# KiCad board PSEC5_Ctrl_Board.kicad_pcb (continued)
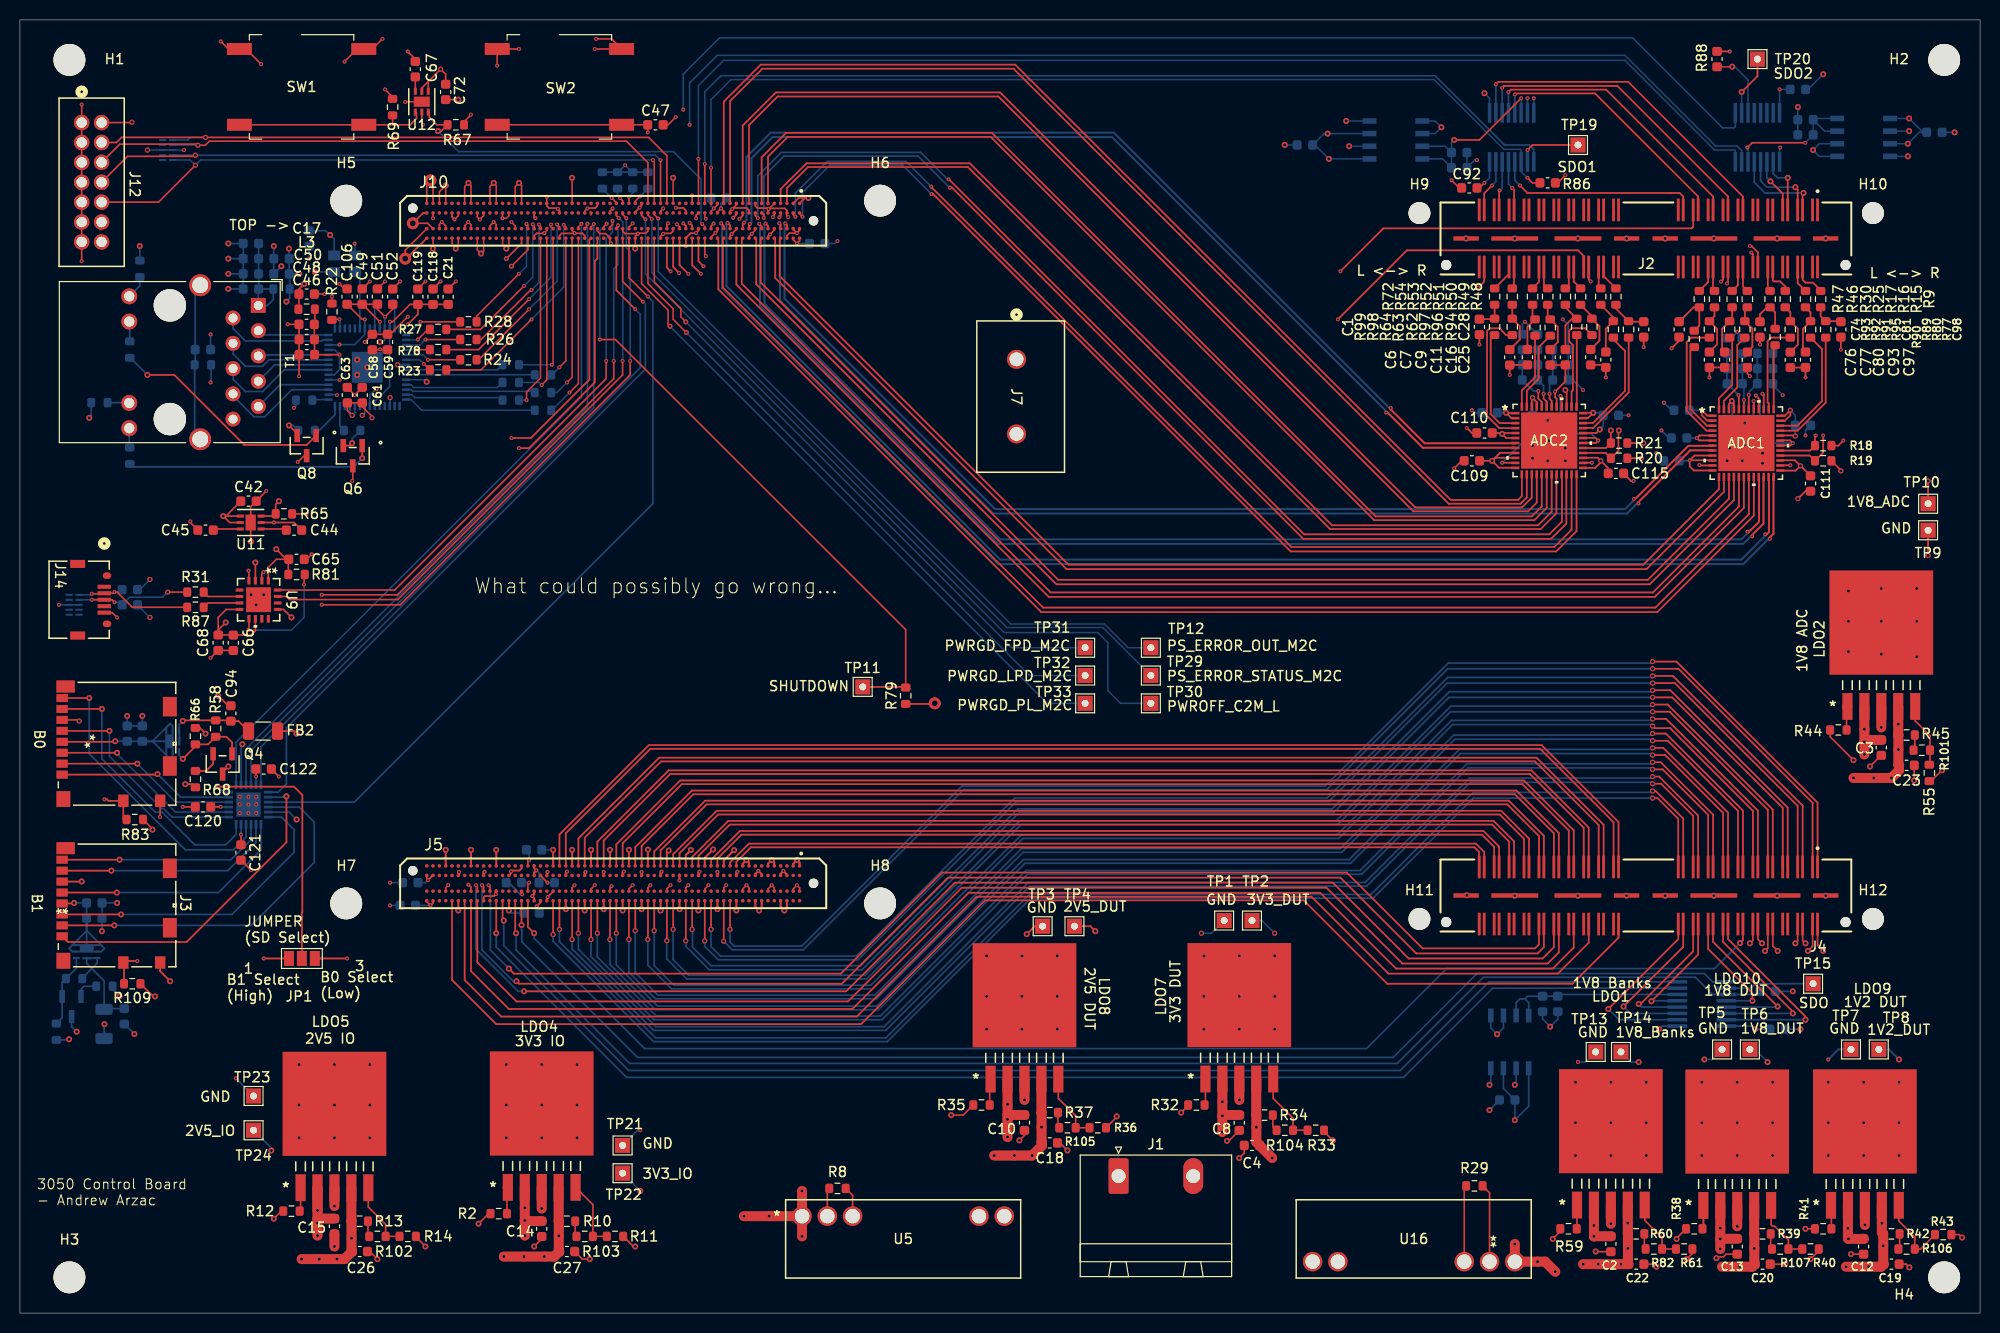
[diagram p0: board, top side]
## Routing (per net, layer and track width the routed paths; a pad name or vN(x,y) marks a point on that pad's centre or on a via; arc(x,y) is an arc through that point) (continued)
ADC_SDO: length 130.8
  Top w0.171: 156.15,39.1 156.15,36.75 154.04,34.64 138.29,34.64 130.67,42.26 95.34,42.26 83.65,30.58 49.14,30.58 45.33,34.38 45.33,41.55
DAC_SCLK: length 125.3
  Top w0.171: v1(46.43,43.02) 46.6,42.85 46.6,42.51 ; v2(49.9,33.37) 50.15,33.12 82.59,33.12 93.26,43.78 132.7,43.78 140.32,36.16 152.51,36.16 153.15,36.8 153.15,39.1
  Bottom w0.171: v2(49.9,33.37) 49.58,33.37 46.43,36.51 v1(46.43,43.02)
DAC_V_IN: length 139
  Top w0.171: 43.43,41.55 43.43,33.49 47.86,29.05 84.53,29.05 96.97,41.5 129.02,41.5 137.4,33.12 156.02,33.12 160.65,37.75 160.65,39.1
Disc_Thresh1: length 33.9
  Top w0.171: J2.21 173.15,112.26 161.62,123.79 148.58,123.79 v1(148.32,123.54)
  Bottom w0.171: v1(148.32,123.54) U2.2
Disc_Thresh2: length 31.2
  Top w0.171: J2.25 171.65,112.26 160.53,123.38 149.15,123.38 v1(148.96,123.19)
  Bottom w0.171: U2.3 v1(148.96,123.19)
Disc_Thresh3: length 28.6
  Top w0.171: J2.29 170.15,112.26 159.4,123.01 149.82,123.01 v1(149.59,122.78)
  Bottom w0.171: v1(149.59,122.78) U2.4
Disc_Thresh4: length 26
  Top w0.171: J2.33 168.65,112.26 158.28,122.63 150.33,122.63 v1(150.23,122.52)
  Bottom w0.171: U2.5 v1(150.23,122.52)
Disc_Thresh5: length 20.8
  Top w0.171: J2.37 167.15,112.26 166.79,112.62 151.5,112.62 v1(150.74,113.38)
  Bottom w0.171: U2.12 150.23,113.89 v1(150.74,113.38)
Disc_Thresh6: length 5.1
  Top w0.171: v1(149.97,113.13) 150.15,112.95 J2.69
  Bottom w0.171: v1(149.97,113.13) 149.59,113.51 U2.13
Disc_Thresh7: length 5
  Top w0.171: J2.73 148.65,112.82 v1(148.7,112.87)
  Bottom w0.171: U2.14 148.96,113.13 v1(148.7,112.87)
Disc_Thresh8: length 5.3
  Top w0.171: J2.77 147.15,112.59 v1(147.94,113.38)
  Bottom w0.171: v1(147.94,113.38) 148.32,113.76 U2.15
DISCBIAS: length 6
  Top w0.171: v2(177.66,114.14) 177.65,114.13 J2.09
  Bottom w0.171: v2(177.66,114.14) 176.64,114.14 176.2,114.58 U4.2
HPB00_CC_N: length 137.9
  Top w0.171: v3(68.82,37.43) 68.83,37.44 68.83,41.55 ; v3(164.07,63.34) 166.3,63.34 178.65,51 178.65,44.84
  Bottom w0.171: v3(68.82,37.43) 68.82,36.88 70.18,35.53 84.23,35.53 100.13,51.43 131.53,51.43 143.45,63.34 v3(164.07,63.34)
HPB00_CC_P: length 138.1
  Top w0.171: 69.46,41.55 69.46,38.58 v3(69.46,38.58) ; v3(164.07,64.06) 166.11,64.06 179.15,51.02 179.15,44.84
  Bottom w0.171: v3(164.07,64.06) 163.92,63.91 143.49,63.91 131.38,51.8 99.97,51.8 84.07,35.9 70.4,35.9 69.46,36.84 v3(69.46,38.58)
HPB01_N: length 137.7
  Top w0.171: 70.73,41.55 70.73,37.39 v3(70.72,37.39) ; v3(164.07,64.78) 166.66,64.78 180.15,51.3 180.15,44.84
  Bottom w0.171: v3(164.07,64.78) 143.49,64.78 131.33,52.63 94.83,52.63 78.73,36.53 71.59,36.53 v3(70.72,37.39)
HPB01_P: length 137.9
  Top w0.171: v3(164.07,65.5) 166.47,65.5 180.65,51.32 180.65,44.84 ; v3(71.36,38.58) 71.37,38.58 71.37,41.55
  Bottom w0.171: v3(71.36,38.58) 71.36,37.31 71.77,36.9 78.57,36.9 94.68,53 131.18,53 143.53,65.35 163.92,65.35 v3(164.07,65.5)
HPB04_N: length 138.4
  Top w0.171: v3(164.07,60.46) 165.78,60.46 175.65,50.6 175.65,44.84 ; 65.02,41.55 65.02,37.44 v3(65.01,37.43)
  Bottom w0.171: v3(164.07,60.46) 143.77,60.46 132.43,49.13 100.63,49.13 85.1,33.6 67.02,33.6 65.01,35.61 v3(65.01,37.43)
HPB04_P: length 138.6
  Top w0.171: 176.15,44.84 176.15,50.62 165.59,61.18 v3(164.07,61.18) ; 65.65,41.55 65.65,38.58 v3(65.65,38.58)
  Bottom w0.171: v3(164.07,61.18) 163.92,61.03 143.81,61.03 132.28,49.5 100.47,49.5 84.95,33.97 67.21,33.97 65.65,35.53 v3(65.65,38.58)
HPB06_N: length 92.9
  Top w0.171: 151.65,44.84 151.65,47.71 148.86,50.5 70.02,50.5 65.65,46.13 65.65,45.05
HPB06_P: length 91.5
  Top w0.171: 151.15,44.84 151.15,47.69 148.7,50.13 70.18,50.13 66.29,46.24 66.29,45.05
HPB08_N: length 83.6
  Top w0.171: 148.65,44.84 148.65,46.9 147.08,48.47 72.35,48.47 69.46,45.58 69.46,45.05
HPB08_P: length 82.2
  Top w0.171: 148.15,44.84 148.15,46.88 146.93,48.1 72.51,48.1 70.1,45.69 70.1,45.05
HPB12_N: length 88.4
  Top w0.171: 67.56,45.05 67.56,45.86 71.19,49.49 148.09,49.49 150.15,47.43 150.15,44.84
HPB12_P: length 87
  Top w0.171: 149.65,44.84 149.65,47.41 147.94,49.12 71.34,49.12 68.19,45.97 68.19,45.05
HPB15_CC_N: length 78.7
  Top w0.171: 71.37,45.05 71.37,45.3 73.26,47.2 146.32,47.2 147.15,46.37 147.15,44.84
HPB15_CC_P: length 77.3
  Top w0.171: 146.65,44.84 146.65,46.34 146.16,46.83 73.46,46.83 72,45.37 72,45.05
HPB16_N: length 97.5
  Top w0.171: 153.15,44.84 153.15,47.99 149.62,51.52 68.86,51.52 63.75,46.41 63.75,45.05
HPB16_P: length 96.1
  Top w0.171: 64.38,45.05 64.38,46.52 69.01,51.15 149.47,51.15 152.65,47.96 152.65,44.84
HPB17_N: length 138.9
  Top w0.171: 174.15,44.84 174.15,50.5 165.84,58.81 164.28,58.81 v3(164.07,59.02) ; 63.11,41.55 63.11,37.57 v3(63.11,37.56)
  Bottom w0.171: v3(63.11,37.56) 63.11,34.98 65.48,32.6 85.68,32.6 100.8,47.73 132.53,47.73 143.98,59.17 163.92,59.17 v3(164.07,59.02)
HPB17_P: length 138.9
  Top w0.171: v3(63.74,38.45) 63.75,38.45 63.75,41.55 ; 174.65,44.84 174.65,50.52 165.43,59.74 v3(164.07,59.74)
  Bottom w0.171: v3(63.74,38.45) 63.74,34.94 65.71,32.97 85.52,32.97 100.65,48.1 132.38,48.1 143.87,59.59 163.92,59.59 v3(164.07,59.74)
HPB19_N: length 102.2
  Top w0.171: 154.65,44.84 154.65,48.27 150.38,52.54 67.52,52.54 61.84,46.85 61.84,45.05
HPB19_P: length 100.8
  Top w0.171: 154.15,44.84 154.15,48.24 150.23,52.17 67.68,52.17 62.48,46.96 62.48,45.05
HPB_CLK0_N: length 137.8
  Top w0.171: v3(164.07,61.9) 166.04,61.9 177.15,50.8 177.15,44.84 ; v3(66.91,37.43) 66.92,37.44 66.92,41.55
  Bottom w0.171: v3(164.07,61.9) 143.61,61.9 132.03,50.33 100.43,50.33 84.61,34.51 69.28,34.51 66.91,36.88 v3(66.91,37.43)
HPB_CLK0_P: length 137.9
  Top w0.171: v3(164.07,62.62) 165.85,62.62 177.65,50.82 177.65,44.84 ; 67.56,41.55 67.56,38.58 v3(67.55,38.58)
  Bottom w0.171: v3(164.07,62.62) 163.92,62.47 143.65,62.47 131.88,50.7 100.28,50.7 84.51,34.93 69.46,34.93 67.59,36.8 67.59,38.54 v3(67.55,38.58)
HPC00_CC_N: length 138.3
  Top w0.171: v3(57.39,37.56) 57.4,37.57 57.4,41.55 ; v3(164.07,54.66) 165.08,54.66 169.65,50.1 169.65,44.84
  Bottom w0.171: v3(164.07,54.66) 163.92,54.81 145.52,54.81 134.83,44.13 101.25,44.13 86.62,29.5 63.74,29.5 57.39,35.84 v3(57.39,37.56)
HPC00_CC_P: length 138.4
  Top w0.171: v3(164.07,55.38) 164.89,55.38 170.15,50.12 170.15,44.84 ; 58.03,41.55 58.03,38.2 v3(58.03,38.2)
  Bottom w0.171: v3(58.03,38.2) 58.03,35.8 63.96,29.87 86.47,29.87 101.1,44.5 134.68,44.5 145.41,55.23 163.92,55.23 v3(164.07,55.38)
HPC01_N: length 138.8
  Top w0.171: 59.3,41.55 59.3,37.57 v3(59.3,37.56) ; 171.15,44.84 171.15,50.3 165.34,56.1 v3(164.07,56.1)
  Bottom w0.171: v3(59.3,37.56) 59.3,35.06 63.86,30.5 86.28,30.5 101,45.23 133.73,45.23 144.76,56.25 163.92,56.25 v3(164.07,56.1)
HPC01_P: length 138.9
  Top w0.171: v3(59.93,38.2) 59.94,38.2 59.94,41.55 ; 171.65,44.84 171.65,50.32 165.15,56.82 v3(164.07,56.82)
  Bottom w0.171: v3(59.93,38.2) 59.93,35.02 64.08,30.87 86.12,30.87 100.85,45.6 133.57,45.6 144.65,56.67 163.92,56.67 v3(164.07,56.82)
HPC02_N: length 137.9
  Top w0.171: v3(55.48,37.56) 55.49,37.57 55.49,41.55 ; 168.15,44.84 168.15,50 164.92,53.22 v3(164.07,53.22)
  Bottom w0.171: v3(55.48,37.56) 55.48,36.63 63.69,28.43 87,28.43 101.5,42.93 135.33,42.93 145.78,53.37 163.92,53.37 v3(164.07,53.22)
HPC02_P: length 138
  Top w0.171: v3(56.12,38.2) 56.13,38.2 56.13,41.55 ; v3(164.07,53.94) 164.73,53.94 168.65,50.02 168.65,44.84
  Bottom w0.171: v3(164.07,53.94) 163.92,53.79 145.67,53.79 135.18,43.3 101.35,43.3 86.85,28.8 63.91,28.8 56.12,36.59 v3(56.12,38.2)
HPC04_N: length 137.3
  Top w0.171: 53.59,41.55 53.59,38.07 v3(53.58,38.07) ; v3(164.07,51.78) 164.56,51.78 166.65,49.7 166.65,44.84
  Bottom w0.171: v3(164.07,51.78) 146.06,51.78 136,41.73 101.6,41.73 87.18,27.3 63.67,27.3 53.58,37.39 v3(53.58,38.07)
HPC04_P: length 137.5
  Top w0.171: v3(54.22,38.58) 54.22,38.58 54.22,41.55 ; v3(164.07,52.5) 164.37,52.5 167.15,49.72 167.15,44.84
  Bottom w0.171: v3(54.22,38.58) 54.22,37.35 63.9,27.67 87.02,27.67 101.45,42.1 135.77,42.1 146.03,52.35 163.92,52.35 v3(164.07,52.5)
HPC08_N: length 106.7
  Top w0.171: 156.15,44.84 156.15,48.54 151.14,53.55 66.36,53.55 59.94,47.13 59.94,45.05
HPC08_P: length 105.3
  Top w0.171: 155.65,44.84 155.65,48.52 150.99,53.18 66.51,53.18 60.57,47.24 60.57,45.05
HPC09_N: length 139.3
  Top w0.171: 172.65,44.84 172.65,50.5 165.6,57.54 v3(164.07,57.54) ; 61.21,41.55 61.21,37.57 v3(61.2,37.56)
  Bottom w0.171: v3(61.2,37.56) 61.2,34.27 63.88,31.6 86.07,31.6 100.8,46.33 132.83,46.33 144.2,57.69 163.92,57.69 v3(164.07,57.54)
HPC09_P: length 139.4
  Top w0.171: v3(61.83,38.45) 61.84,38.45 61.84,41.55 ; v3(164.07,58.26) 165.41,58.26 173.15,50.52 173.15,44.84
  Bottom w0.171: v3(61.83,38.45) 61.83,34.23 64.1,31.97 85.92,31.97 100.65,46.7 132.68,46.7 144.09,58.11 163.92,58.11 v3(164.07,58.26)
HPC14_N: length 116.1
  Top w0.171: 56.13,45.05 56.13,47.73 64.24,55.84 152.41,55.84 159.15,49.1 159.15,44.84
HPC14_P: length 114.7
  Top w0.171: 158.65,44.84 158.65,49.08 152.26,55.47 64.44,55.47 56.76,47.79 56.76,45.05
HPC15_CC_N: length 121
  Top w0.171: 160.65,44.84 160.65,49.38 152.92,57.11 63.21,57.11 54.22,48.12 54.22,45.05
HPC15_CC_P: length 119.6
  Top w0.171: 160.15,44.84 160.15,49.35 152.77,56.74 63.36,56.74 54.86,48.23 54.86,45.05
HPC19_N: length 111.3
  Top w0.171: 157.65,44.84 157.65,48.82 151.9,54.57 65.19,54.57 58.03,47.4 58.03,45.05
HPC19_P: length 109.9
  Top w0.171: 58.67,45.05 58.67,47.51 65.35,54.2 151.75,54.2 157.15,48.8 157.15,44.84
OscClkOut: length 136.3
  Top w0.171: v2(51.67,38.2) 51.05,38.82 51.05,41.55 ; 173.15,39.1 173.15,37.5 v2(172.87,37.21)
  Bottom w0.171: v2(172.87,37.21) 170.29,34.64 143.37,34.64 135.33,26.6 62.78,26.6 51.67,37.7 v2(51.67,38.2)
P5_ReadClk: length 104.1
  Top w0.171: J2.52 157.15,106.28 156.58,106.85 139.38,106.85 v1(132.45,99.92) ; v1(65.14,109.57) 65.02,109.45 J10.C22
  In2.Cu w0.171: v1(132.45,99.92) 69.53,99.92 64.88,104.56 64.88,108.05 65.14,108.3 v1(65.14,109.57)
P5_rst: length 111.7
  Top w0.171: v1(173.99,106.62) 174.15,106.46 J2.20 ; v1(68.69,105.25) 68.19,105.75 J10.D17
  In2.Cu w0.171: v1(68.69,105.25) 70.22,103.73 145.97,103.73 146.48,104.24 171.56,104.24 173.95,106.62 v1(173.99,106.62)
PICO: length 112.4
  Top w0.171: v1(170.95,103.7) 171.15,103.9 J2.28 ; J10.D21 65.65,105.17 v1(66.24,104.58)
  In2.Cu w0.171: v1(66.24,104.58) 69.63,101.19 168.43,101.19 v1(170.95,103.7)
POCI: length 114.4
  Top w0.171: v1(65.39,104.74) 65.02,105.12 J10.D22 ; J2.26 171.65,103.63 v1(171.55,103.52)
  In2.Cu w0.171: v1(65.39,104.74) 69.71,100.43 168.45,100.43 v1(171.55,103.52)
PS_POR: length 79.2
  Top w0.159: v2(26.02,81.63) 25.7,81.31 R65.2 25.48,80.13 24.28,80.13 ; J10.C15 69.46,109.3 v1(69.71,109.54)
  In7.Cu w0.159: v1(31.86,92.3) 26.02,86.46 v2(26.02,81.63) 52.82,81.63 69.41,98.22 69.41,109.25 v1(69.71,109.54)
  Bottom w0.159: U1.16 31.82,92.34 v1(31.86,92.3)
PS_SRST: length 37.4
  Top w0.159: J10.C16 68.83,109.23 v1(68.57,109.49) ; v2(42.02,118.84) 42.34,118.84 R67.2 41.9,119.48 41.15,120.22 41.15,120.71
  Bottom w0.159: v2(42.02,118.84) 44.09,116.77 65.68,116.77 68.44,114.01 68.44,109.61 v1(68.57,109.49)
Psec5RefClk: length 105.7
  Top w0.171: J10.D16 68.83,106.38 v1(68.93,106.27) ; v1(132.7,104.74) 137.02,109.06 168.01,109.06 168.15,109.2 J2.35
  In2.Cu w0.171: v1(68.93,106.27) 70.97,104.24 132.19,104.24 v1(132.7,104.74)
Psec5TriggerIn: length 87.2
  Top w0.171: J2.78 147.15,103.7 v1(146.53,103.08) ; J10.D20 66.29,105.37 v1(67.17,104.49)
  In2.Cu w0.171: v1(146.53,103.08) 145.4,101.95 69.71,101.95 v1(67.17,104.49)
Psec5TriggerOut: length 95.8
  Top w0.171: v1(157.85,103.73) 157.65,103.92 J2.50 ; J10.D18 67.56,105.37 v1(68.44,104.49)
  In2.Cu w0.171: v1(157.85,103.73) 146.49,103.73 145.73,102.97 69.96,102.97 v1(68.44,104.49)
READBIAS1: length 8
  Top w0.171: J2.07 178.65,112.97 v2(178.42,113.2)
  Bottom w0.171: v2(178.42,113.2) 175.55,113.2 174.93,113.82 U4.4
READBIAS2: length 9.2
  Top w0.171: v2(179.24,112.62) 179.15,112.53 J2.05
  Bottom w0.171: U4.5 174.29,113.7 175.37,112.62 v2(179.24,112.62)
SIGNAL1+: length 4
  Top w0.171: 180.6,102.77 R9.1 180.96,102.84 180.2,103.6 179.44,103.6 179.15,103.89 J2.06
SIGNAL1-: length 2.7
  Top w0.171: R15.1 178.65,103.56 J2.08
SIGNAL2+: length 3.3
  Top w0.171: J2.14 176.15,103.84 176.26,103.73 176.9,103.73 177.41,103.22 R16.1
SIGNAL2-: length 2.5
  Top w0.171: R17.1 175.65,103.01 J2.16
SIGNAL3+: length 2.6
  Top w0.171: R25.1 173.15,103.22 J2.22
SIGNAL3-: length 2.6
  Top w0.171: R30.1 172.65,103.35 J2.24
SIGNAL4+: length 2.5
  Top w0.171: J2.30 170.15,102.92 R46.1
SIGNAL4-: length 2.8
  Top w0.171: R47.1 169.65,103.66 J2.32
SIGNAL5+: length 2.7
  Top w0.171: R48.1 159.15,104.27 J2.46
SIGNAL5-: length 2.2
  Top w0.171: J2.48 158.65,103.24 R49.1
SIGNAL6+: length 2.4
  Top w0.171: J2.54 156.15,103.71 R50.1
SIGNAL6-: length 2.3
  Top w0.171: J2.56 155.65,103.37 R51.1
SIGNAL7+: length 2.3
  Top w0.171: J2.62 153.15,103.41 R52.1
SIGNAL7-: length 2.4
  Top w0.171: J2.64 152.65,103.67 R53.1
SIGNAL8+: length 2.2
  Top w0.171: R54.1 150.15,103.21 J2.70
SIGNAL8-: length 2.7
  Top w0.171: R72.1 149.65,104.48 J2.72
SPIclk: length 112.6
  Top w0.171: J10.C20 66.29,109.21 v1(66.03,109.47) ; J2.18 174.65,106.65 174.01,107.28 v1(173.85,107.28)
  In2.Cu w0.171: v1(173.85,107.28) 172.83,106.27 69.62,106.27 67.72,108.17 67.33,108.17 v1(66.03,109.47)
SYNC_N: length 123.1
  Top w0.171: 152.65,39.1 152.65,37.06 152.26,36.67 140.96,36.67 133.34,44.29 92.67,44.29 82.51,34.13 49.64,34.13 v2(49.14,34.64) ; v1(47.1,43.02) 47.24,42.89 47.24,42.51
  Bottom w0.171: v2(49.14,34.64) 47.28,36.49 47.28,42.84 v1(47.1,43.02)
V_ped1: length 18.8
  Top w0.171: 166.65,39.1 166.65,37.6 v2(159.62,30.58)
  Bottom w0.171: v2(159.62,30.58) 160.7,29.5 U15.2
V_ped2: length 16.5
  Top w0.171: 167.15,39.1 167.15,36.83 v2(161.15,30.83)
  Bottom w0.171: v2(161.15,30.83) 161.85,30.13 U15.3
V_ped3: length 14.4
  Top w0.171: 168.15,39.1 168.15,36.37 162.86,31.08 v2(162.67,31.08)
  Bottom w0.171: U15.4 162.99,30.77 v2(162.67,31.08)
V_ped4: length 12.3
  Top w0.171: v2(163.96,31.35) 168.65,36.04 168.65,39.1
  Bottom w0.171: U15.5 164.01,31.4 v2(163.96,31.35)
V_ped5: length 12.2
  Top w0.171: v2(174.1,31.4) 174.1,32.16 169.65,36.62 169.65,39.1
  Bottom w0.171: v2(174.1,31.4) U15.12
V_ped6: length 16.1
  Top w0.171: v2(176.64,30.83) 170.15,37.32 170.15,39.1
  Bottom w0.171: v2(176.64,30.83) 176.58,30.77 U15.13
V_ped7: length 18.6
  Top w0.171: 171.15,39.1 171.15,37.32 178.17,30.3 v2(178.17,30.13)
  Bottom w0.171: v2(178.17,30.13) U15.14
V_ped8: length 20.8
  Top w0.171: 171.65,39.1 171.65,37.6 179.44,29.81 v2(179.44,29.5)
  Bottom w0.171: v2(179.44,29.5) U15.15
WBUFBIAS: length 5.5
  Top w0.171: v2(175.91,113.79) 177.15,112.55 J2.11
  Bottom w0.171: v2(175.91,113.79) 175.56,114.14 U4.3
Net-(ADC1-RBIAS): length 4.5
  Top w0.171: v1(174.44,92.25) 174.74,91.95 ADC1.40
  Bottom w0.171: 174.74,89.69 R57.1 174.87,91.83 v1(174.44,92.25)
Net-(ADC1-REFB): length 5.6
  Top w0.171: 173.24,90.89 173.24,91.81 v1(173.25,91.82)
  Bottom w0.171: v1(173.25,91.82) 173.25,93.29 C36.2 C35.2 173.09,94.98 C34.1
Net-(ADC1-REFT): length 6.1
  Top w0.171: v1(172.71,92.3) 172.74,92.26 172.74,90.89
  Bottom w0.171: C33.1 171.55,96.46 171.55,93.44 172.69,92.3 v1(172.71,92.3)
Net-(ADC1-VREF): length 5.9
  Top w0.171: v1(173.74,92.31) 173.74,90.9 173.74,90.89
  Bottom w0.171: v1(173.74,92.31) 173.74,92.58 174.6,93.44 174.6,96.45 174.58,96.47
Net-(ADC2-RBIAS): length 3.3
  Top w0.171: ADC2.40 154.93,92.11 v1(154.83,92.21)
  Bottom w0.171: R56.1 154.8,92.18 v1(154.83,92.21)
Net-(ADC2-REFB): length 6.1
  Top w0.171: v1(153.12,92.42) 153.12,91.95 153.43,91.63 ADC2.43
  Bottom w0.171: v1(153.12,92.42) 153.12,93.23 C40.2 C39.2 152.53,96.84 C38.1
Net-(ADC2-REFT): length 6.8
  Top w0.171: ADC2.44 152.93,91.61 152.59,91.95 v1(152.59,92.71)
  Bottom w0.171: C37.1 150.98,96.84 C39.1 C40.1 152.09,92.71 v1(152.59,92.71)
Net-(ADC2-VREF): length 6
  Top w0.171: ADC2.42 153.93,91.71 153.72,91.92 v1(153.72,92.43)
  Bottom w0.171: v1(153.72,92.43) 153.72,93.5 C78.1 C79.1 C116.1
Net-(C1-Pad1): length 2.9
  Top w0.171: C1.1 148.15,99.93 R99.1 R72.2
Net-(C5-Pad1): length 11.7
  Bottom w0.171: C5.1 8.53,30.61 FB1.1 8.46,33.41 7.22,34.64 ; 7.22,34.64 7.76,35.17 U6.4 7.74,35.68 U6.7 6.72,35.15 7.22,34.64 ; 7.22,34.64 6.27,33.69 R110.1
Net-(C6-Pad1): length 5.2
  Top w0.171: R54.2 R98.1 150.73,99.22 150.73,97.88 C6.1
Net-(C7-Pad1): length 4.9
  Top w0.171: C7.1 151.5,99.16 R64.1 152,100.17 R53.2
Net-(C9-Pad1): length 5.2
  Top w0.171: R52.2 153.53,100.17 R63.1 154.54,99.16 154.54,97.63 C9.1
Net-(C11-Pad1): length 5.9
  Top w0.171: 155.2,96.99 C11.1 155.31,99.31 155.97,99.98 R62.1 155.31,101.12 R51.2
Net-(C16-Pad1): length 5.7
  Top w0.171: R50.2 157.97,100.24 R97.1 158.73,99.22 158.73,97.77 C16.1
Net-(C25-Pad1): length 5.6
  Top w0.171: C25.1 159.37,98.96 R96.1 160.13,100.11 R49.2
Net-(C28-Pad1): length 3.7
  Top w0.171: R48.2 160.39,101 R94.1 161.71,99.68 C28.1
Net-(C74-Pad1): length 5.2
  Top w0.171: C74.1 168.19,101.12 R47.2 168.77,99.28 R93.1
Net-(C76-Pad1): length 5.3
  Top w0.171: C76.1 170.55,97.39 170.55,98.96 R92.1 170.29,100.23 R46.2
Net-(C77-Pad1): length 5
  Top w0.171: C77.1 171.06,96.88 171.06,98.96 R91.1 172.07,99.98 R30.2
Net-(C80-Pad1): length 5.1
  Top w0.171: C80.1 174.1,97.13 174.1,98.97 R95.1 173.34,100.87 R25.2
Net-(C81-Pad1): length 4.4
  Top w0.171: R90.1 176.39,100.62 R17.2 175.56,101.12 174.87,100.43 C81.1
Net-(C93-Pad1): length 5.3
  Top w0.171: R16.2 177.91,100.62 R89.1 178.67,98.97 178.67,97.38 C93.1
Net-(C94-Pad1): length 9.3
  Top w0.171: FB2.1 21.97,59.52 C94.1 21.12,59.59 16.43,59.59 v2(16.37,59.53) 16.38,59.52
  Bottom w0.171: v2(16.37,59.53) 16,59.16 U14.4 16.02,58.53 U14.7
Net-(C97-Pad1): length 5.1
  Top w0.171: C97.1 179.18,96.88 179.18,98.97 R80.1 179.94,100.62 R15.2
Net-(C98-Pad1): length 3.2
  Top w0.171: C98.1 182.94,99.73 R77.1 180.96,100.23 R9.2
Net-(J10A-PS_ERROR_OUT_M2C): length 71.2
  Top w0.159: J10.B24 63.75,110.45 v1(64.15,110.05)
  Bottom w0.15: TP12.1 111.37,66.9 108.98,69.28 99.59,69.28 64.15,104.72
  Bottom w0.159: v1(64.15,110.05) 64.15,104.72
Net-(J10A-PS_ERROR_STATUS_M2C): length 73.1
  Top w0.159: v1(63.51,110) 63.11,110.4 J10.B25
  Bottom w0.15: 63.87,104.24 99.19,68.93 108.82,68.93 TP29.1
  Bottom w0.159: v1(63.51,110) 63.51,104.6 63.87,104.24
Net-(J10A-PWROFF_C2M_L): length 77.8
  Top w0.159: J10.B26 62.48,110.36 v1(62.87,109.97)
  Bottom w0.15: TP30.1 110.6,61.31 109.33,62.58 109.33,67.41 108.32,68.42 98.92,68.42 63.52,103.82
  Bottom w0.159: v1(62.87,109.97) 62.87,104.47 63.52,103.82
Net-(J10B-MIO52): length 18.5
  Top w0.15: J10.D36 56.13,93.45 v1(55.23,92.55)
  Bottom w0.15: v1(55.23,92.55) 53.45,90.77 R1.1
Net-(J10B-MIO53): length 16.7
  Top w0.15: J10.D37 55.49,94.08 v1(54.98,93.57)
  Bottom w0.15: v1(54.98,93.57) 53.96,92.55 R3.1
Net-(J10B-MIO54): length 14.4
  Top w0.15: v1(54.22,95.09) 54.86,95.73 J10.D38
  Bottom w0.15: R4.1 53.45,94.33 v1(54.22,95.09)
Net-(J10B-MIO64): length 16.1
  Top w0.15: J10.D40 53.59,95.48 v1(53.45,95.35)
  Bottom w0.15: R5.1 v1(53.45,95.35)
Net-(J10B-MIO65): length 17.4
  Top w0.15: v1(52.44,93.31) 52.95,93.83 J10.D41
  Bottom w0.15: v1(52.44,93.31) 52.18,93.57 R6.1
Net-(J10B-MIO66): length 17.6
  Top w0.15: v1(50.91,91.79) 50.91,92.6 52.32,94.01 J10.D42
  Bottom w0.15: R7.1 v1(50.91,91.79)
Net-(J10B-PWRGD_FPD_M2C): length 63.4
  Top w0.15: v5(66.91,99.66) 66.41,100.17 66.41,101.02 63.75,103.68 J10.D24
  Bottom w0.15: TP31.1 99.68,66.9 v5(66.91,99.66)
Net-(J10B-PWRGD_LPD_M2C): length 65.4
  Top w0.15: J10.D25 63.11,103.51 65.65,100.98 65.65,99.92 v5(66.98,98.58)
  Bottom w0.15: TP32.1 101.46,64.1 v5(66.98,98.58)
Net-(J10B-PWRGD_PL_M2C): length 67.5
  Top w0.15: J10.D26 62.48,103.5 65.14,100.84 65.14,99.41 v5(65.33,99.22)
  Bottom w0.15: v5(65.33,99.22) 103.24,61.31 TP33.1
Net-(JP1-C): length 26.6
  Top w0.171: JP1.2 28.34,40.26 28.38,40.3 28.38,52.09 27.55,52.93 v1(19.92,52.93)
  Bottom w0.171: v1(19.92,52.93) 20.48,52.37 U17.24
Net-(LDO1-ADJ): length 6.5
  Top w0.159: LDO1.5 163.28,9.33 165.02,7.59 R82.2 166.42,6.45
Net-(LDO1-EN): length 2.4
  Top w0.159: R59.2 156.48,8.5 LDO1.1
Net-(LDO2-ADJ): length 6.5
  Top w0.159: R55.1 191.95,55.2 R101.2 191.95,58.06 190.46,59.54 LDO2.5
Net-(LDO2-EN): length 2.4
  Top w0.159: LDO2.1 183.56,60.9 R44.2
  Top w1: 183.63,60.97 LDO2.1
Net-(LDO4-ADJ): length 7
  Top w0.159: R11.1 R103.2 57.58,10.9 LDO4.5
Net-(LDO4-EN): length 2.7
  Top w0.159: LDO4.1 48.94,12.55 R2.2
  Top w1: 49.01,12.62 LDO4.1
Net-(LDO5-ADJ): length 7
  Top w0.159: LDO5.5 35.01,10.66 36.75,8.92 36.75,7.72 38.15,7.72
Net-(LDO5-EN): length 2.4
  Top w0.159: LDO5.1 28.21,10.34 R12.2
Net-(LDO7-ADJ): length 7.4
  Top w0.159: LDO7.5 125.94,21.58 127.94,19.59 R104.2 R33.1
Net-(LDO7-EN): length 2.7
  Top w0.159: LDO7.1 119.14,21.01 R32.2
Net-(LDO8-ADJ): length 7
  Top w0.159: 107.49,18.64 R105.2 106.09,19.84 104.35,21.58 LDO8.5
Net-(LDO8-EN): length 2.6
  Top w0.159: R35.2 97.46,23.44 LDO8.1
Net-(LDO9-ADJ): length 7.7
  Top w0.159: R43.1 191,6.45 R106.2 190.42,7.65 188.81,9.26 LDO9.5
Net-(LDO9-EN): length 2.6
  Top w0.159: R41.2 182.04,10.8 LDO9.1
  Top w0.2: 182.1,11.83 182.26,11.98
Net-(LDO10-ADJ): length 6.6
  Top w0.159: LDO10.5 175.98,8.88 176.13,8.73 176.34,8.73 177.72,7.35 177.72,6.45 R40.1
Net-(LDO10-EN): length 2.4
  Top w0.2: 169.09,8.48 169.18,8.57 LDO10.1
Net-(Q1-D): length 7.4
  Bottom w0.171: U6.3 5.68,34.68 R110.2 4.24,33.24 Q1.1 4.24,29.69 R111.1
Net-(Q1-G): length 2.4
  Bottom w0.171: R85.2 6.46,32.86 6.14,32.54 Q1.2
Net-(Q4-D): length 8.3
  Top w0.171: Q4.1 21.32,57.37 20.75,57.94 R58.2 18.91,57.18 R66.1 17.64,56.99 v2(16.37,55.72)
  Bottom w0.171: U14.3 16,56.09 v2(16.37,55.72)
Net-(Q4-G): length 3.1
  Top w0.171: R68.2 18.72,54.51 19.42,55.22 Q4.2
Net-(Q6-D): length 25.1
  Top w0.171: Q6.1 34.4,85.95 v2(34.4,85.95)
  Bottom w0.171: v2(34.4,85.95) 33.54,85.08 11.33,85.08 11.03,85.38
Net-(Q6-G): length 2.6
  Top w0.171: v2(33.39,87.47) 33.13,87.22 Q6.2
  Bottom w0.171: R113.2 33.39,87.92 v2(33.39,87.47)
Net-(Q8-D): length 22.7
  Top w0.171: Q8.1 28.82,87.29 22.55,87.29 15.51,94.33 v2(12.81,94.33)
  Bottom w0.171: R114.2 11.1,96.04 v2(12.81,94.33)
Net-(Q8-G): length 2.5
  Top w0.171: v2(27.04,89.25) 27.86,88.42 Q8.2
  Bottom w0.171: v2(27.04,89.25) 27.48,89.25 R112.2
Net-(R10-Pad2): length 1.6
  Top w0.159: R10.2 55.8,7.84 55.93,7.72
Net-(R60-Pad2): length 1.6
  Top w0.159: R60.2 163.24,6.57 R82.1
Net-(R74-Pad1): length 2.4
  Bottom w0.171: T1.11 12.05,103.29 R74.1
Net-(R76-Pad1): length 2.2
  Bottom w0.171: R76.1 10.96,91.54 T1.13
Net-(R101-Pad1): length 1.6
  Top w0.159: R45.2 190.42,56.72 190.3,56.6
Net-(R102-Pad1): length 1.6
  Top w0.159: R13.2 34.97,7.84 R102.1
Net-(R104-Pad1): length 1.7
  Top w0.159: R104.1 125.91,18.77 125.91,19.91
Net-(R105-Pad1): length 1.6
  Top w0.159: 104.44,18.64 104.32,18.77 R37.2
Net-(R106-Pad1): length 1.6
  Top w0.159: R42.2 188.9,6.57 188.77,6.45
Net-(R107-Pad1): length 1.6
  Top w0.159: R39.2 175.94,6.57 R107.1
Net-(R114-Pad1): length 2
  Bottom w0.171: R114.1 11.03,99.64 T1.12
Net-(R115-Pad1): length 2
  Bottom w0.171: R115.1 10.99,87.07 T1.14
Net-(T1-SHIELD1): length 16
  Bottom w0.171: T1.S1 17.61,102.84 C57.1 17.61,95.4 R100.1 17.56,88.41 T1.S2
Net-(U1-CONFIG): length 1.6
  Bottom w0.159: U1.15 29.44,91.84 R84.2
Net-(U1-REGCAP1): length 2.6
  Bottom w0.159: 35.91,101.44 35.66,101.19 U1.37
Net-(U1-REGCAP2): length 2.5
  Bottom w0.159: C155.1 37.66,101.24 U1.41
Net-(U1-RSET): length 1.7
  Top w0.159: v1(32.12,99.92) 31.42,99.92 R22.1
  Bottom w0.159: U1.30 32.16,99.87 v1(32.12,99.92)
Net-(U1-RX_CLK): length 2.4
  Top w0.15: v1(39.99,96.87) 41.2,96.87 R78.1
  Bottom w0.15: v1(39.99,96.87) 39.97,96.84 U1.46
Net-(U1-RX_CTRL): length 6
  Top w0.15: v1(40.25,99.66) R28.1
  Bottom w0.15: U1.43 38.92,98.34 v1(40.25,99.66)
Net-(U1-RXD[0]): length 2.8
  Top w0.15: R27.1 41.01,98.9 v1(39.99,97.89)
  Bottom w0.15: U1.44 39.95,97.84 v1(39.99,97.89)
Net-(U1-RXD[1]): length 5.7
  Top w0.15: v1(40.75,97.89) R26.1
  Bottom w0.15: v1(40.75,97.89) 40.21,97.34 U1.45
Net-(U1-RXD[2]): length 5.6
  Top w0.15: v1(41.01,95.85) R24.1
  Bottom w0.15: U1.47 40.52,96.34 v1(41.01,95.85)
Net-(U1-RXD[3]): length 2.8
  Top w0.15: v1(40.59,95.43) 40.61,95.43 R23.1
  Bottom w0.15: v1(40.59,95.43) 40.17,95.84 U1.48
Net-(U2-REF): length 19.3
  Top w0.159: v1(150.86,122.14) 146.67,117.95 v2(144.13,117.95)
  Bottom w0.159: C90.1 C30.1 142.97,116.05 U7.8 ; C90.1 143.23,117.32 U7.7 ; C90.1 143.86,117.68 v2(144.13,117.95) ; U2.6 v1(150.86,122.14)
Net-(U2-SDO): length 6.5
  Top w0.171: v1(151.5,116.94) 152,117.44 TP19.1
  Bottom w0.159: U2.10 v1(151.5,116.94)
Net-(U4-REF): length 15.5
  Top w0.159: v1(179.42,117.66) 179.41,117.67 174.07,117.67 v1(173.59,117.19)
  Bottom w0.15: U8.8 180.34,120.11 180.21,119.98 180.21,118.46 v1(179.42,117.66)
  Bottom w0.159: v1(173.59,117.19) 173.66,117.13 U4.6 ; 180.21,119.98 181.35,118.84 U8.7
Net-(U4-SDO): length 6.1
  Top w0.171: v2(173.02,122.78) 174.61,124.36 TP20.1
  Bottom w0.15: v2(173.02,122.78) U4.10
Net-(U5-TRIM): length 2.9
  Top w0.159: R8.2 81.14,12.35 U5.2
Net-(U9-USBDM): length 3.8
  Top w0.159: R87.1 18.9,71.4 U9.7
Net-(U9-USBDP): length 3.8
  Top w0.159: R31.1 18.9,72.05 U9.6
Net-(U10-CH1): length 12.5
  Top w0.159: v1(7.22,72.32) 8.43,72.32 J14.2 9.4,72.37 v1(9.51,72.49) 9.77,72.49 11.29,70.96 R87.2
  Bottom w0.159: U10.1 7.12,72.22 v1(7.22,72.32) ; v1(9.51,72.49) 10.02,72.49 C107.1
Net-(U10-CH2): length 11.6
  Top w0.159: v1(9.51,71.47) 9.26,71.72 J14.3 v1(7.22,71.72) ; v3(14.84,72.49) R31.2
  Bottom w0.159: v3(14.84,72.49) 14.34,71.98 11.03,71.98 C69.1 10.02,71.47 v1(9.51,71.47) ; v1(7.22,71.72) 7.22,71.71 U10.2
Net-(U11-*MR): length 2.5
  Top w0.159: C44.1 26.66,78.83 24.28,78.83
Net-(U11-CT): length 2.8
  Top w0.159: C45.1 19.54,78.83 22.18,78.83
Net-(U12-*MR): length 19.6
  Top w0.159: 39.85,120.71 39.85,120.1 39.23,119.48 37.45,119.48 ; 37.45,119.48 R69.2 ; 37.45,119.48 SW1.3 SW1.4
Net-(U12-CT): length 1.6
  Top w0.159: U12.3 C67.1 39.85,124.18
Net-(U13-FEEDBACK): length 19.7
  Bottom w0.171: 150.35,29.93 150.35,31.21 150.74,31.59 151.24,31.59 ; U15.6 154.72,32.04 154.54,31.86 151.51,31.86 151.24,31.59 ; U13.8 151.62,31.21 151.24,31.59
Net-(U15-SDO): length 8.9
  Bottom w0.171: U15.10 173.97,32.67 174.41,33.12 TP15.1
Net-(U16-TRIM): length 7.9
  Top w0.159: U16.2 147.69,12.1 R29.2
unconnected-(J10A-MIO40-PadB34): length 0.2
  Top w0.159: J10.B34 57.4,110.43
unconnected-(J10A-MIO58-PadB40): length 0
unconnected-(J10A-MIO71-PadB45): length 0.1
  Top w0.15: 50.41,110.56 J10.B45
unconnected-(U1-LED[2]/INTn-Pad12): length 0.1
  Bottom w0.15: 32.72,91.13 U1.12

## Copper pours and planes (outline as drawn; the poured copper is in the pictures)
1V2_DUT on In4.Cu: 152,-1.17 152,71.22 198.23,71.22 198.23,-1.17
1V8_ADC on In3.Cu: 115.68,130.65 197.98,130.65 197.98,52.42 115.68,52.67
1V8_Banks on In5.Cu: 197.98,-0.92 -1.16,-0.92 -1.16,131.41 198.08,131.41 197.99,51.91 197.98,51.91 95.11,51.91 95.11,12.8 116.7,12.8 116.7,34.39 187.31,34.39 187.31,51.91 197.98,51.91
1V8_DUT on In3.Cu: 137.78,52.67 138.08,52.67 197.98,52.42 197.98,-0.92 138.08,-0.92
2V5_DUT on In5.Cu: 95.11,12.8 95.11,51.66 95.36,51.91 187.31,51.91 187.31,34.64 187.06,34.39 116.7,34.39 116.7,12.8
2V5_IO on In6.Cu: 135.75,-0.92 135.75,27.78 183.5,27.78 183.5,34.89 127.62,34.89 127.62,13.81 95.11,13.81 95.11,58.77 183.5,58.77 183.5,76.3 198.74,76.3 198.74,131.16 -0.9,131.16 -0.9,-0.92
3V3_DUT on In6.Cu: 95.36,13.81 95.36,58.77 183.5,58.77 183.5,34.89 127.88,34.89 127.88,13.81
3V3_IO on In4.Cu: 152,-1.17 -0.9,-1.17 -0.9,130.91 198.23,130.91 198.23,71.22 152,71.22
/SOM240_1(1.5)/ethernet1/AVDD18 on In6.Cu: 41.77,101.7 41.77,89.25 29.32,89.25 29.32,101.7
/SOM240_1(1.5)/ethernet1/DVDD on In5.Cu: 29.32,101.7 41.77,101.7 41.77,89.25 29.32,89.25
GND on In1.Cu: 2.14,129.13 195.69,129.13 195.69,2.38 2.14,2.38
GND on In8.Cu: 1.89,129.13 195.69,129.13 195.69,2.64 1.89,2.64
VDD_BUCK_2V5 on In6.Cu: 135.75,-0.92 135.75,27.78 183.5,27.78 183.5,76.3 198.74,76.3 198.74,-0.92
VDD_BUCK_5V on In3.Cu: 92.82,-0.92 -0.9,-1.17 -0.9,130.65 115.68,130.65 115.68,52.67 137.78,52.67 138.03,52.42 138.03,16.86 92.82,16.86
/power2/power on In3.Cu: 92.82,16.86 138.03,16.86 138.08,16.81 138.08,-0.92 92.82,-0.92

## Text on the board
F.Fab: F.Silkscreen | F.Paste | F.Mask | F.Cu | Dielectric | In1.Cu | In2.Cu | In3.Cu | In4.Cu | In5.Cu | In6.Cu | In7.Cu | In8.Cu | B.Cu | B.Mask | B.Paste | B.Silkscreen | Top Silk Screen | Top Solder Paste | Top Solder Mask | copper | prepreg | core | Bottom Solder Mask | Bottom Solder Paste | Bottom Silk Screen | Not specified | FR4 | 0 mm | 0.01 mm | 0.0175 mm | 0.103 mm | 0.035 mm | 0.065 mm | 0.13 mm | 1 | 3.3 | 4.5 | 0 | 0.02 | Layer Name | Type | Material | Thickness (mm) | Color | Epsilon R | Loss Tangent
F.Silkscreen: 3050 Control Board / - Andrew Arzac | 2V5_IO | GND | B1 Select / (High) | TOP -> | JUMPER / (SD Select) | 2V5 IO | B0 Select / (Low) | 3V3 IO | 3V3_IO | SHUTDOWN | PWRGD_FPD_M2C | PWRGD_LPD_M2C | PWRGD_PL_M2C | 2V5_DUT | PS_ERROR_OUT_M2C | PS_ERROR_STATUS_M2C | PWROFF_C2M_L | 3V3_DUT | L <-> R | SDO1 | 1V8 Banks | 1V8_Banks | 1V8 DUT | 1V8_DUT | SDO2 | SDO | 1V2 DUT | 1V8_ADC | 1V2_DUT | 3V3 DUT | 1V8 ADC | B1 | B0 | 2V5 DUT | What could possibly go wrong...
